# KiCad board Sebas_nuxros.kicad_pcb
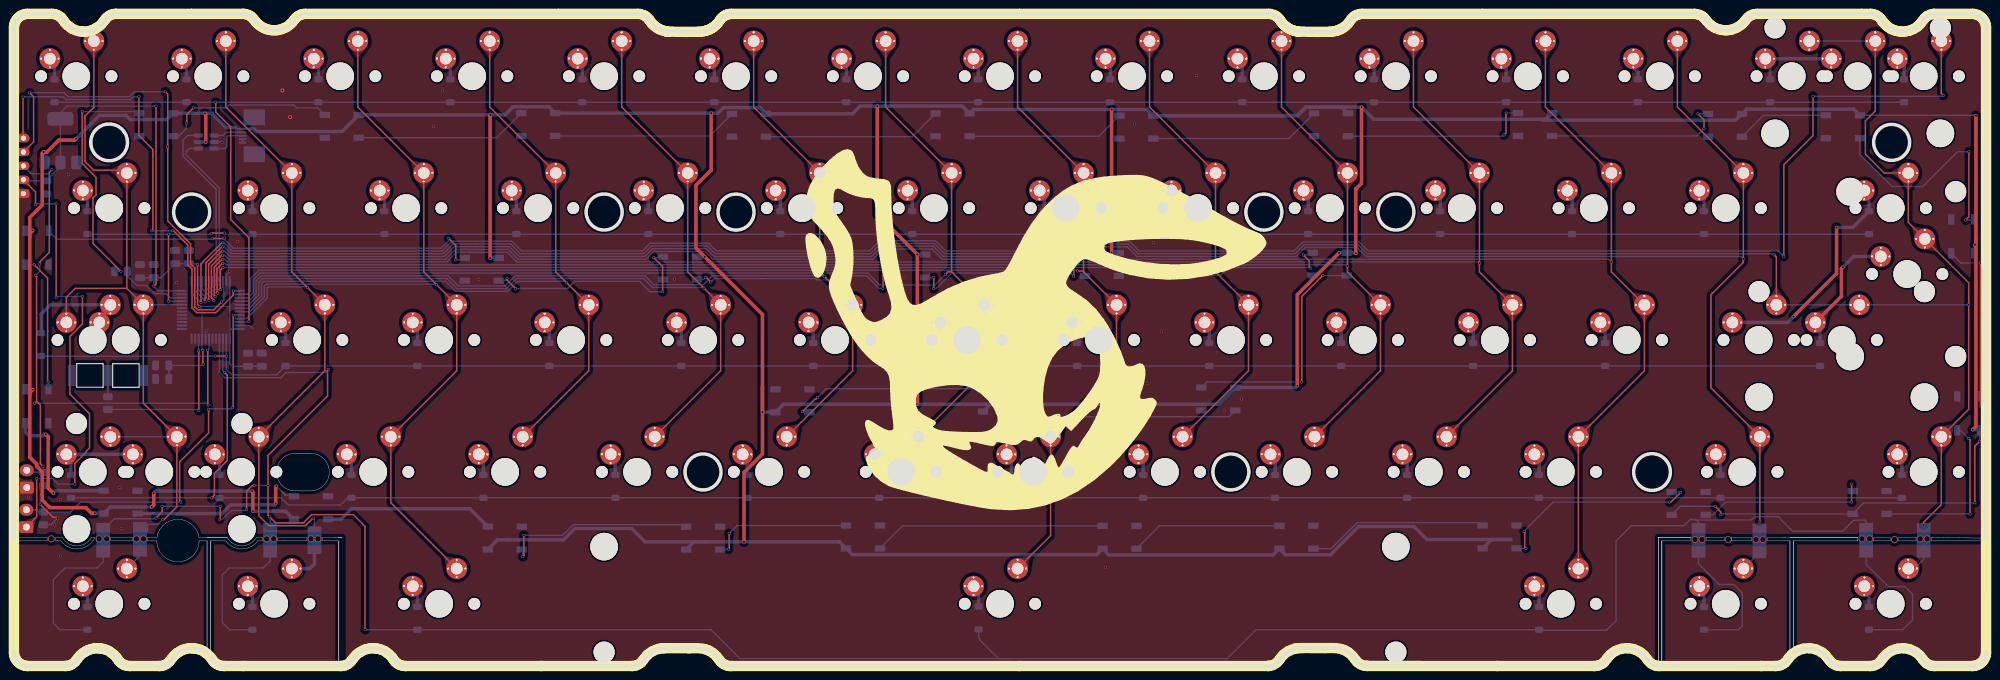
[diagram p0: board, top side]
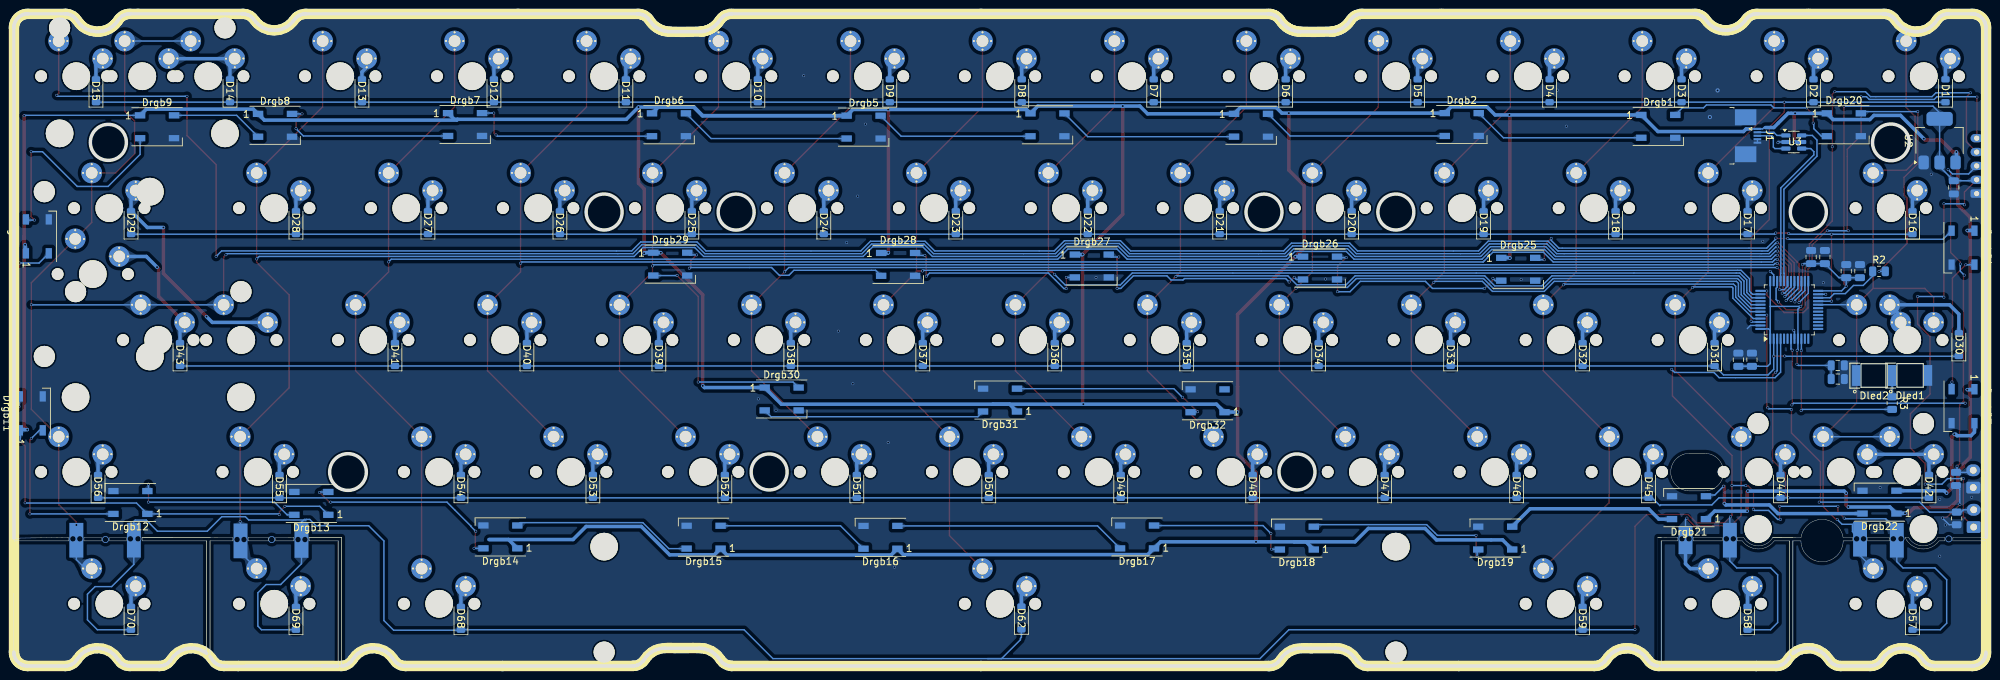
[diagram p1: board, bottom side, seen from below]

Outline 284.72 x 94.22 mm; copper layers: Top, Bottom. Coordinates in mm from the lower left corner of the outline.
Outline path: circle c13.76,75.66 r2.65 ; circle c25.67,65.59 r2.6 ; circle c85.22,65.59 r2.6 ; circle c99.49,28.05 r2.6 ; circle c104.25,65.59 r2.6 ; circle c175.69,28.05 r2.6 ; circle c180.45,65.59 r2.6 ; circle c199.51,65.6 r2.6 ; circle c236.49,28.04 r2.65 ; circle c271.08,75.66 r2.6 ; 0,18.59 0.02,92.22 0.04,92.5 0.1,92.78 0.2,93.05 0.34,93.3 0.51,93.53 0.71,93.73 0.94,93.9 1.19,94.04 1.46,94.14 1.74,94.2 2.02,94.22 5.44,94.22 5.73,94.2 6.01,94.14 6.28,94.04 6.53,93.9 6.76,93.72 6.96,93.52 7.13,93.28 7.35,92.98 7.59,92.7 7.87,92.45 8.17,92.23 8.49,92.04 8.83,91.89 9.18,91.77 9.54,91.69 9.91,91.65 10.28,91.65 10.65,91.69 11.02,91.77 11.37,91.89 11.71,92.04 12.03,92.23 12.33,92.45 12.6,92.7 12.85,92.98 13.06,93.28 13.23,93.52 13.43,93.72 13.66,93.9 13.92,94.04 14.19,94.14 14.47,94.2 14.75,94.22 33.07,94.22 33.34,94.2 33.61,94.14 33.87,94.05 34.12,93.92 34.34,93.76 34.54,93.57 34.72,93.35 34.94,93.06 35.21,92.79 35.49,92.54 35.81,92.33 36.14,92.16 36.49,92.02 36.85,91.92 37.22,91.86 37.6,91.84 37.97,91.86 38.34,91.92 38.71,92.02 39.06,92.16 39.39,92.33 39.7,92.54 39.99,92.79 40.25,93.06 40.48,93.35 40.65,93.57 40.85,93.76 41.08,93.92 41.32,94.05 41.58,94.14 41.85,94.2 42.13,94.22 90.09,94.22 90.38,94.2 90.66,94.14 90.93,94.04 91.18,93.9 91.41,93.72 91.61,93.52 91.78,93.28 92.01,92.96 92.27,92.67 92.57,92.41 92.89,92.18 93.23,91.99 93.59,91.84 93.97,91.73 94.36,91.67 94.75,91.64 98.95,91.64 99.34,91.67 99.73,91.73 100.1,91.84 100.47,91.99 100.81,92.18 101.13,92.41 101.42,92.67 101.69,92.96 101.91,93.28 102.08,93.52 102.29,93.72 102.52,93.9 102.77,94.04 103.04,94.14 103.32,94.2 103.61,94.22 181.14,94.22 181.43,94.2 181.71,94.14 181.98,94.04 182.23,93.9 182.46,93.72 182.66,93.52 182.83,93.28 183.06,92.96 183.32,92.67 183.61,92.41 183.93,92.18 184.28,91.99 184.64,91.84 185.02,91.73 185.4,91.67 185.8,91.64 190,91.64 190.39,91.67 190.78,91.73 191.15,91.84 191.52,91.99 191.86,92.18 192.18,92.41 192.47,92.67 192.73,92.96 192.96,93.28 193.13,93.52 193.33,93.72 193.56,93.9 193.82,94.04 194.09,94.14 194.37,94.2 194.65,94.22 242.62,94.22 242.89,94.2 243.16,94.14 243.42,94.05 243.67,93.92 243.89,93.76 244.09,93.57 244.27,93.35 244.5,93.06 244.76,92.79 245.04,92.54 245.36,92.33 245.69,92.16 246.04,92.02 246.4,91.92 246.77,91.86 247.15,91.84 247.52,91.86 247.89,91.92 248.26,92.02 248.61,92.16 248.94,92.33 249.25,92.54 249.54,92.79 249.8,93.06 250.03,93.35 250.2,93.57 250.4,93.76 250.63,93.92 250.87,94.05 251.13,94.14 251.4,94.2 251.68,94.22 267.99,94.22 268.28,94.2 268.56,94.14 268.83,94.04 269.08,93.9 269.31,93.72 269.51,93.52 269.68,93.28 269.9,92.98 270.14,92.7 270.42,92.45 270.72,92.23 271.04,92.04 271.38,91.89 271.73,91.77 272.09,91.69 272.46,91.65 272.83,91.65 273.2,91.69 273.57,91.77 273.92,91.89 274.26,92.04 274.58,92.23 274.88,92.45 275.15,92.7 275.4,92.98 275.61,93.28 275.78,93.52 275.98,93.72 276.21,93.9 276.47,94.04 276.74,94.14 277.02,94.2 277.3,94.22 282.72,94.22 283.01,94.2 283.29,94.14 283.55,94.04 283.8,93.9 284.03,93.73 284.23,93.53 284.41,93.3 284.54,93.05 284.64,92.78 284.7,92.5 284.72,92.22 284.7,18.49 276.8,18.59 276.8,18.09 284.7,18.09 284.72,2.02 284.7,1.74 284.64,1.46 284.54,1.19 284.41,0.94 284.23,0.71 284.03,0.51 283.8,0.34 283.55,0.2 283.29,0.1 283.01,0.04 282.72,0.02 277.3,0.02 277.01,0.04 276.73,0.1 276.46,0.2 276.21,0.34 275.98,0.52 275.78,0.72 275.61,0.96 275.39,1.26 275.15,1.54 274.88,1.79 274.58,2.01 274.26,2.2 273.92,2.35 273.56,2.47 273.2,2.55 272.83,2.59 272.46,2.59 272.09,2.55 271.73,2.47 271.37,2.35 271.04,2.2 270.71,2.01 270.42,1.79 270.14,1.54 269.9,1.26 269.68,0.96 269.51,0.72 269.31,0.52 269.08,0.34 268.83,0.2 268.56,0.1 268.28,0.04 267.99,0.02 263.71,0.02 263.42,0.04 263.14,0.1 262.87,0.2 262.62,0.34 262.39,0.52 262.19,0.72 262.02,0.96 261.8,1.26 261.56,1.54 261.28,1.79 260.98,2.01 260.66,2.2 260.33,2.35 259.97,2.47 259.61,2.55 259.24,2.59 258.87,2.59 258.5,2.55 258.13,2.47 257.78,2.35 257.44,2.2 257.12,2.01 256.9,1.85 256.9,18.09 266.2,18.09 266.2,18.59 256.4,18.6 253.1,18.59 253.1,18.09 256.4,18.09 256.4,1.37 256.3,1.26 256.09,0.96 255.92,0.72 255.72,0.52 255.49,0.34 255.24,0.2 254.97,0.1 254.68,0.04 254,0 240.18,0.04 239.68,0.04 237.9,0.02 237.9,18.09 242.1,18.09 242.1,18.6 237.4,18.6 237.4,0.03 237.23,0.04 236.95,0.1 236.68,0.2 236.43,0.34 236.2,0.52 235.99,0.72 235.82,0.96 235.61,1.26 235.36,1.54 235.09,1.79 234.79,2.01 234.47,2.2 234.13,2.35 233.78,2.47 233.42,2.55 233.05,2.59 232.67,2.59 232.31,2.55 231.94,2.47 231.59,2.35 231.25,2.2 230.93,2.01 230.63,1.79 230.36,1.54 230.11,1.26 229.9,0.96 229.73,0.72 229.53,0.52 229.3,0.34 229.04,0.2 228.77,0.1 228.49,0.04 228.2,0.02 195.43,0.02 195.14,0.04 194.86,0.1 194.59,0.2 194.34,0.34 194.11,0.52 193.91,0.72 193.74,0.96 193.51,1.28 193.25,1.57 192.95,1.83 192.63,2.06 192.29,2.25 191.93,2.4 191.55,2.5 191.16,2.57 190.77,2.59 185.8,2.59 185.41,2.57 185.02,2.5 184.64,2.4 184.28,2.25 183.94,2.06 183.62,1.83 183.32,1.57 183.06,1.28 182.84,0.96 182.67,0.72 182.46,0.52 182.23,0.34 181.98,0.2 181.71,0.1 181.43,0.04 181.14,0.02 103.6,0.02 103.31,0.04 103.03,0.1 102.76,0.2 102.51,0.34 102.28,0.52 102.08,0.72 101.91,0.96 101.68,1.28 101.42,1.57 101.13,1.83 100.81,2.06 100.46,2.25 100.1,2.4 99.72,2.5 99.34,2.57 98.95,2.59 93.97,2.59 93.58,2.57 93.19,2.5 92.82,2.4 92.45,2.25 92.11,2.06 91.79,1.83 91.5,1.57 91.24,1.28 91.01,0.96 90.84,0.72 90.64,0.52 90.41,0.34 90.16,0.2 89.89,0.1 89.6,0.04 89.32,0.02 56.54,0.02 56.25,0.04 55.97,0.1 55.7,0.2 55.45,0.34 55.22,0.52 55.02,0.72 54.85,0.96 54.63,1.26 54.39,1.54 54.11,1.79 53.82,2.01 53.49,2.2 53.16,2.35 52.8,2.47 52.44,2.55 52.07,2.59 51.7,2.59 51.33,2.55 50.97,2.47 50.61,2.35 50.27,2.2 49.95,2.01 49.65,1.79 49.38,1.54 49.14,1.26 48.92,0.96 48.75,0.72 48.55,0.52 48.32,0.34 48.07,0.2 47.8,0.1 47.52,0.04 47.4,0.03 47.4,18.6 46.9,18.6 44.5,18.59 44.5,18.09 46.9,18.09 46.9,0.02 30.35,0.02 30.06,0.04 29.78,0.1 29.51,0.2 29.26,0.34 29.03,0.52 28.83,0.72 28.65,0.96 28.44,1.26 28.4,1.3 28.4,18.09 30.6,18.09 arc(32.9,16.93) 35.2,18.09 35.9,18.09 35.9,18.59 35,18.59 arc(32.9,17.37) 30.8,18.59 27.9,18.6 26.72,18.59 arc(23.69,21.19) 20.65,18.59 19.3,18.59 19.3,18.09 20.64,18.09 arc(23.69,15.07) 26.74,18.09 27.9,18.09 27.9,1.8 27.62,2.01 27.3,2.2 26.96,2.35 26.61,2.47 26.25,2.55 25.88,2.59 25.51,2.59 25.14,2.55 24.77,2.47 24.42,2.35 24.08,2.2 23.76,2.01 23.46,1.79 23.19,1.54 22.94,1.26 22.73,0.96 22.56,0.72 22.36,0.52 22.13,0.34 21.87,0.2 21.6,0.1 21.32,0.04 21.04,0.02 16.76,0.02 16.47,0.04 16.19,0.1 15.92,0.2 15.66,0.34 15.43,0.52 15.23,0.72 15.06,0.96 14.85,1.26 14.6,1.54 14.33,1.79 14.03,2.01 13.71,2.2 13.37,2.35 13.02,2.47 12.65,2.55 12.28,2.59 11.91,2.59 11.54,2.55 11.18,2.47 10.83,2.35 10.49,2.2 10.17,2.01 9.87,1.79 9.6,1.54 9.35,1.26 9.14,0.96 8.97,0.72 8.76,0.52 8.53,0.34 8.28,0.2 8.01,0.1 7.73,0.04 7.44,0.02 2.02,0.02 1.74,0.04 1.46,0.1 1.19,0.2 0.94,0.34 0.71,0.51 0.51,0.71 0.34,0.94 0.2,1.19 0.1,1.46 0.04,1.74 0.02,2.02 0,18.09 4.8,18.09 4.8,18.59 0,18.59 ; 6,18.59 6,18.09 6.8,18.09 arc(9.39,16.94) 11.7,18.59 11.2,18.59 arc(9.1,17.37) 7,18.59 6,18.59 ; 14,18.59 17.12,18.59 17.12,18.09 14,18.09 14,18.59 ; 38.1,18.59 38.1,18.09 42.3,18.09 42.3,18.59 38.1,18.59 ; 40.62,25.32 arc(37.91,28.03) 40.62,30.74 42.82,30.74 arc(45.54,28.03) 42.82,25.32 40.62,25.32 ; 244.3,18.6 244.3,18.09 246.9,18.09 246.9,18.59 244.3,18.6 ; 248,18.59 250.9,18.59 250.9,18.09 248,18.09 248,18.59 ; 268.5,18.59 270.9,18.59 270.9,18.09 268.5,18.09 268.5,18.59 ; 272.1,18.59 274.6,18.59 274.6,18.09 272.1,18.09 272.1,18.59
Stack: Top 0.035mm / dielectric 1.51mm FR4 er 4.5 / Bottom 0.035mm

## Placement (name value [footprint] x y rotation side)
C1  100nF  [C_0805_2012Metric]  33.81 44.26 270 bottom
C2  4.7uF  [C_0805_2012Metric]  21.42 41.47 0 bottom
C3  100nF  [C_0805_2012Metric]  18.22 57.06 270 bottom
C4  4.7uF  [C_0805_2012Metric]  23.28 59.09 270 bottom
C5  100nF  [C_0805_2012Metric]  4.67 69.16 90 bottom
C6  4.7uF  [C_0805_2012Metric]  35.77 44.26 270 bottom
C7  100nF  [C_0805_2012Metric]  21.42 43.44 0 bottom
C8  4.7uF  [C_0805_2012Metric]  20.2 57.06 270 bottom
C9  4.7uF  [C_0805_2012Metric]  25.27 59.09 270 bottom
C10  4.7uF  [C_0805_2012Metric]  4.35 27.04 270 bottom
D1  D_Small  [D_SOD-123]  5.87 83.11 90 bottom
D2  D_Small  [D_SOD-123]  24.92 83.11 90 bottom
D3  D_Small  [D_SOD-123]  43.97 83.11 90 bottom
D4  D_Small  [D_SOD-123]  63.02 83.11 90 bottom
D5  D_Small  [D_SOD-123]  82.07 83.11 90 bottom
D6  D_Small  [D_SOD-123]  101.12 83.11 90 bottom
D7  D_Small  [D_SOD-123]  120.17 83.11 90 bottom
D8  D_Small  [D_SOD-123]  139.22 83.11 90 bottom
D9  D_Small  [D_SOD-123]  158.27 83.11 90 bottom
D10  D_Small  [D_SOD-123]  177.32 83.11 90 bottom
D11  D_Small  [D_SOD-123]  196.37 83.11 90 bottom
D12  D_Small  [D_SOD-123]  215.42 83.11 90 bottom
D13  D_Small  [D_SOD-123]  234.47 83.11 90 bottom
D14  D_Small  [D_SOD-123]  253.52 83.11 90 bottom
D15  D_Small  [D_SOD-123]  272.87 83.11 90 bottom
D16  D_Small  [D_SOD-123]  10.63 64.06 90 bottom
D17  D_Small  [D_SOD-123]  34.45 64.06 90 bottom
D18  D_Small  [D_SOD-123]  53.49 64.06 90 bottom
D19  D_Small  [D_SOD-123]  72.55 64.06 90 bottom
D20  D_Small  [D_SOD-123]  91.59 64.06 90 bottom
D21  D_Small  [D_SOD-123]  110.65 64.06 90 bottom
D22  D_Small  [D_SOD-123]  129.69 64.06 90 bottom
D23  D_Small  [D_SOD-123]  148.75 64.06 90 bottom
D24  D_Small  [D_SOD-123]  167.8 64.06 90 bottom
D25  D_Small  [D_SOD-123]  186.84 64.06 90 bottom
D26  D_Small  [D_SOD-123]  205.9 64.06 90 bottom
D27  D_Small  [D_SOD-123]  224.94 64.06 90 bottom
D28  D_Small  [D_SOD-123]  244 64.06 90 bottom
D29  D_Small  [D_SOD-123]  267.81 64.06 90 bottom
D30  D_Small  [D_SOD-123]  3.94 46.45 90 bottom
D31  D_Small  [D_SOD-123]  39.21 45.01 90 bottom
D32  D_Small  [D_SOD-123]  58.26 45.01 90 bottom
D33  D_Small  [D_SOD-123]  77.31 45.01 90 bottom
D34  D_Small  [D_SOD-123]  96.36 45.01 90 bottom
D35  D_Small  [D_SOD-123]  115.41 45.01 90 bottom
D36  D_Small  [D_SOD-123]  134.46 45.01 90 bottom
D37  D_Small  [D_SOD-123]  153.51 45.01 90 bottom
D38  D_Small  [D_SOD-123]  172.56 45.01 90 bottom
D39  D_Small  [D_SOD-123]  191.61 45.01 90 bottom
D40  D_Small  [D_SOD-123]  210.66 45.01 90 bottom
D41  D_Small  [D_SOD-123]  229.71 45.01 90 bottom
D42  D_Small  [D_SOD-123]  8.25 25.96 90 bottom
D43  D_Small  [D_SOD-123]  260.74 45.01 90 bottom
D44  D_Small  [D_SOD-123]  29.68 25.96 90 bottom
D45  D_Small  [D_SOD-123]  48.73 25.96 90 bottom
D46  D_Small  [D_SOD-123]  67.78 25.96 90 bottom
D47  D_Small  [D_SOD-123]  86.83 25.96 90 bottom
D48  D_Small  [D_SOD-123]  105.88 25.96 90 bottom
D49  D_Small  [D_SOD-123]  124.93 25.96 90 bottom
D50  D_Small  [D_SOD-123]  143.98 25.96 90 bottom
D51  D_Small  [D_SOD-123]  163.03 25.96 90 bottom
D52  D_Small  [D_SOD-123]  182.08 25.96 90 bottom
D53  D_Small  [D_SOD-123]  201.13 25.96 90 bottom
D54  D_Small  [D_SOD-123]  220.18 25.96 90 bottom
D55  D_Small  [D_SOD-123]  246.38 25.96 90 bottom
D56  D_Small  [D_SOD-123]  272.57 25.96 90 bottom
D57  D_Small  [D_SOD-123]  10.63 6.91 90 bottom
D58  D_Small  [D_SOD-123]  34.45 6.91 90 bottom
D59  D_Small  [D_SOD-123]  58.26 6.91 90 bottom
D62  D_Small  [D_SOD-123]  139.27 6.96 90 bottom
D68  D_Small  [D_SOD-123]  220.18 6.91 90 bottom
D69  D_Small  [D_SOD-123]  244 6.91 90 bottom
D70  D_Small  [D_SOD-123]  267.81 6.91 90 bottom
Dled1  LED  [LED-6028]  10.98 47.07 180 bottom
Dled2  LED  [LED-6028#2]  16.17 47.06 180 bottom
Drgb1  WS2812B  [LED_WS2812B_PLCC4_5.0x5.0mm_P3.2mm]  47.33 77.97 180 bottom
Drgb2  WS2812B  [LED_WS2812B_PLCC4_5.0x5.0mm_P3.2mm]  75.7 78.23 180 bottom
Drgb3  WS2812B  [LED_WS2812B_PLCC4_5.0x5.0mm_P3.2mm]  106.12 78.13 180 bottom
Drgb4  WS2812B  [LED_WS2812B_PLCC4_5.0x5.0mm_P3.2mm]  135.51 78.19 180 bottom
Drgb5  WS2812B  [LED_WS2812B_PLCC4_5.0x5.0mm_P3.2mm]  162.05 77.86 180 bottom
Drgb6  WS2812B  [LED_WS2812B_PLCC4_5.0x5.0mm_P3.2mm]  190.15 78.2 180 bottom
Drgb7  WS2812B  [LED_WS2812B_PLCC4_5.0x5.0mm_P3.2mm]  219.59 78.23 180 bottom
Drgb8  WS2812B  [LED_WS2812B_PLCC4_5.0x5.0mm_P3.2mm]  247.02 78.12 180 bottom
Drgb9  WS2812B  [LED_WS2812B_PLCC4_5.0x5.0mm_P3.2mm]  264.05 77.91 180 bottom
Drgb10  WS2812B  [LED_WS2812B_PLCC4_5.0x5.0mm_P3.2mm]  281.33 62.08 90 bottom
Drgb11  WS2812B  [LED_WS2812B_PLCC4_5.0x5.0mm_P3.2mm]  282.2 36.51 90 bottom
Drgb12  WS2812B  [LED_WS2812B_PLCC4_5.0x5.0mm_P3.2mm]  267.9 23.64 0 bottom
Drgb13  WS2812B  [LED_WS2812B_PLCC4_5.0x5.0mm_P3.2mm]  241.78 23.51 0 bottom
Drgb14  WS2812B  [LED_WS2812B_PLCC4_5.0x5.0mm_P3.2mm]  214.49 18.67 0 bottom
Drgb15  WS2812B  [LED_WS2812B_PLCC4_5.0x5.0mm_P3.2mm]  185.15 18.63 0 bottom
Drgb16  WS2812B  [LED_WS2812B_PLCC4_5.0x5.0mm_P3.2mm]  159.62 18.61 0 bottom
Drgb17  WS2812B  [LED_WS2812B_PLCC4_5.0x5.0mm_P3.2mm]  122.58 18.66 0 bottom
Drgb18  WS2812B  [LED_WS2812B_PLCC4_5.0x5.0mm_P3.2mm]  99.51 18.49 0 bottom
Drgb19  WS2812B  [LED_WS2812B_PLCC4_5.0x5.0mm_P3.2mm]  70.87 18.5 0 bottom
Drgb20  WS2812B  [LED_WS2812B_PLCC4_5.0x5.0mm_P3.2mm]  20.54 78.2 180 bottom
Drgb21  WS2812B  [LED_WS2812B_PLCC4_5.0x5.0mm_P3.2mm]  42.9 22.89 0 bottom
Drgb22  WS2812B  [LED_WS2812B_PLCC4_5.0x5.0mm_P3.2mm]  15.4 23.69 0 bottom
Drgb23  WS2812B  [LED_WS2812B_PLCC4_5.0x5.0mm_P3.2mm]  3.34 37.55 270 bottom
Drgb24  WS2812B  [LED_WS2812B_PLCC4_5.0x5.0mm_P3.2mm]  3.34 60.45 270 bottom
Drgb25  WS2812B  [LED_WS2812B_PLCC4_5.0x5.0mm_P3.2mm]  67.55 57.33 180 bottom
Drgb26  WS2812B  [LED_WS2812B_PLCC4_5.0x5.0mm_P3.2mm]  96.16 57.5 180 bottom
Drgb27  WS2812B  [LED_WS2812B_PLCC4_5.0x5.0mm_P3.2mm]  129.11 57.8 180 bottom
Drgb28  WS2812B  [LED_WS2812B_PLCC4_5.0x5.0mm_P3.2mm]  157.07 58.03 180 bottom
Drgb29  WS2812B  [LED_WS2812B_PLCC4_5.0x5.0mm_P3.2mm]  189.96 58.07 180 bottom
Drgb30  WS2812B  [LED_WS2812B_PLCC4_5.0x5.0mm_P3.2mm]  173.88 38.59 180 bottom
Drgb31  WS2812B  [LED_WS2812B_PLCC4_5.0x5.0mm_P3.2mm]  142.36 38.43 0 bottom
Drgb32  WS2812B  [LED_WS2812B_PLCC4_5.0x5.0mm_P3.2mm]  112.4 38.33 0 bottom
G***  LOGO  [sebas]  145.85 48.06 0 top
G***#2  LOGO  [kezewa]  165.18 7.83 180 bottom
G***#3  LOGO  [nuxros_logo2]  120.79 9.01 180 bottom
J1  Conn_01x04_Pin  [TE_0-1734839-5_1x05-1MP_P0.5mm_Horizontal]  34.37 76.61 270 bottom
J2  Conn_01x05_Socket  [JST_PH_B5B-PH-K_1x05_P2.00mm_Vertical]  1.37 68.26 90 top
NOREF  -  [unnamed]  12.9 17.19 0 top
NOREF#2  -  [unnamed#2]  37 18.19 0 top
NOREF#3  -  [unnamed#2]  18.2 18.34 0 top
NOREF#4  -  [unnamed#3]  -2.5 7.09 0 top
NOREF#5  -  [unnamed#4]  252 7.09 0 top
NOREF#6  -  [unnamed#5]  234.35 -3.25 90 top
NOREF#7  -  [unnamed#6]  275.7 17.19 0 top
NOREF#8  -  [unnamed]  267.4 17.19 0 top
R1  R_Small  [R_0805_2012Metric]  4.25 21.34 270 bottom
R2  R_Small  [R_0805_2012Metric]  15.47 57.03 180 bottom
R3  R_Small  [R_0805_2012Metric]  13.57 38 270 bottom
SW1  SW_Push  [MXOnly-1U_N]  9.01 85.21 0 top
SW2  SW_Push  [MXOnly-1U_N]  28.06 85.21 0 top
SW3  SW_Push  [MXOnly-1U_N]  47.11 85.21 0 top
SW4  SW_Push  [MXOnly-1U_N]  66.16 85.21 0 top
SW5  SW_Push  [MXOnly-1U_N]  85.21 85.21 0 top
SW6  SW_Push  [MXOnly-1U_N]  104.26 85.21 0 top
SW7  SW_Push  [MXOnly-1U_N]  123.31 85.21 0 top
SW8  SW_Push  [MXOnly-1U_N]  142.36 85.21 0 top
SW9  SW_Push  [MXOnly-1U_N]  161.41 85.21 0 top
SW10  SW_Push  [MXOnly-1U_N]  180.46 85.21 0 top
SW11  SW_Push  [MXOnly-1U_N]  199.51 85.21 0 top
SW12  SW_Push  [MXOnly-1U_N]  218.56 85.21 0 top
SW13  SW_Push  [MXOnly-1U_N]  237.61 85.21 0 top
SW14  SW_Push  [MXOnly-1U_N]  256.66 85.21 0 top
SW15  SW_Push  [MXOnly-1U_N]  275.71 85.21 0 top
SW16  SW_Push  [MXOnly-1.5U_N]  13.77 66.16 0 top
SW17  SW_Push  [MXOnly-1U_N]  37.58 66.16 0 top
SW18  SW_Push  [MXOnly-1U_N]  56.63 66.16 0 top
SW19  SW_Push  [MXOnly-1U_N]  75.68 66.16 0 top
SW20  SW_Push  [MXOnly-1U_N]  94.73 66.16 0 top
SW21  SW_Push  [MXOnly-1U_N]  113.78 66.16 0 top
SW22  SW_Push  [MXOnly-1U_N]  132.83 66.16 0 top
SW23  SW_Push  [MXOnly-1U_N]  151.88 66.16 0 top
SW24  SW_Push  [MXOnly-1U_N]  170.93 66.16 0 top
SW25  SW_Push  [MXOnly-1U_N]  189.98 66.16 0 top
SW26  SW_Push  [MXOnly-1U_N]  209.03 66.16 0 top
SW27  SW_Push  [MXOnly-1U_N]  228.08 66.16 0 top
SW28  SW_Push  [MXOnly-1U_N]  247.13 66.16 0 top
SW29  SW_Push  [MXOnly-1.5U_N]  270.95 66.16 0 top
SW30  SW_Push  [MXOnly-1.75U_N]  16.15 47.11 0 top
SW31  SW_Push  [MXOnly-1U_N]  42.34 47.11 0 top
SW32  SW_Push  [MXOnly-1U_N]  61.39 47.11 0 top
SW33  SW_Push  [MXOnly-1U_N]  80.45 47.11 0 top
SW34  SW_Push  [MXOnly-1U_N]  99.5 47.11 0 top
SW35  SW_Push  [MXOnly-1U_N]  118.55 47.11 0 top
SW36  SW_Push  [MXOnly-1U_N]  137.59 47.11 0 top
SW37  SW_Push  [MXOnly-1U_N]  156.65 47.11 0 top
SW38  SW_Push  [MXOnly-1U_N]  175.69 47.11 0 top
SW39  SW_Push  [MXOnly-1U_N]  194.75 47.11 0 top
SW40  SW_Push  [MXOnly-1U_N]  213.8 47.11 0 top
SW41  SW_Push  [MXOnly-1U_N]  232.84 47.11 0 top
SW42  SW_Push  [MXOnly-1.25U_N]  11.39 28.06 0 top
SW43  SW_Push  [MXOnly-2.25U_N]  263.88 47.11 0 top
SW44  SW_Push  [MXOnly-1U_N]  32.82 28.06 0 top
SW45  SW_Push  [MXOnly-1U_N]  51.87 28.06 0 top
SW46  SW_Push  [MXOnly-1U_N]  70.92 28.06 0 top
SW47  SW_Push  [MXOnly-1U_N]  89.97 28.06 0 top
SW48  SW_Push  [MXOnly-1U_N]  109.02 28.06 0 top
SW49  SW_Push  [MXOnly-1U_N]  128.07 28.06 0 top
SW50  SW_Push  [MXOnly-1U_N]  147.12 28.06 0 top
SW51  SW_Push  [MXOnly-1U_N]  166.17 28.06 0 top
SW52  SW_Push  [MXOnly-1U_N]  185.22 28.06 0 top
SW53  SW_Push  [MXOnly-1U_N]  204.27 28.06 0 top
SW54  SW_Push  [MXOnly-1U_N]  223.32 28.06 0 top
SW55  SW_Push  [MXOnly-1.75U_N]  249.51 28.06 0 top
SW56  SW_Push  [MXOnly-1U_N]  275.71 28.06 0 top
SW57  SW_Push  [MXOnly-1.5U_N]  13.77 9.01 0 top
SW58  SW_Push  [MXOnly-1U_N]  37.58 9.01 0 top
SW59  SW_Push  [MXOnly-1.5U_N]  61.4 9.01 0 top
SW62  SW_Push  [MXOnly-7U-ReversedStabilizers_N]  142.36 9.01 0 top
SW68  SW_Push  [MXOnly-1.5U_N]  223.32 9.01 0 top
SW69  SW_Push  [MXOnly-1U_N]  247.13 9.01 0 top
SW70  SW_Push  [MXOnly-1.5U_N]  270.95 9.01 0 top
SW1000  SW_Push  [MXOnly-2.25U_N]  20.99 28.06 0 top
SW1001  SW_Push  [MXOnly-1.25U_N]  11.39 47.11 0 top
SW1002  SW_Push  [MXOnly-2U_N]  266.18 85.21 0 top
SW1003  SW_Push  [MXOnly-enter ISO]  273.33 56.64 0 top
SW1004  SW_Push  [MXOnly-1U_N]  251.9 47.11 0 top
SWbôt1  SW_Push  [JST_EH_B2B-EH-A_1x02_P2.50mm_Vertical]  1.8 20.09 90 top
SWbôtrst1  SW_Push  [JST_EH_B2B-EH-A_1x02_P2.50mm_Vertical]  1.86 25.79 90 top
U2  AMS1117  [SOT-223-3_TabPin2]  6.72 75.9 90 bottom
U3  USBLC6-2SC6  [SOT-23-6]  27.77 75.71 180 bottom
Ud1  STM32F072-LQFP48  [LQFP-48_7x7mm_P0.5mm]  28.42 51.46 90 bottom

## Library data of the parts
C1-C10 = -: Description: Unpolarized capacitor, small symbol; ki_fp_filters: C_*
D1-D59 D62 D68-D70 = -: Description: Diode, small symbol; Sim.Device: D; Sim.Pins: 1=K 2=A; ki_fp_filters: TO-???* *_Diode_* *SingleDiode* D_*
Dled1 Dled2 = -: Description: Light emitting diode; ki_fp_filters: LED* LED_SMD:* LED_THT:*
Drgb1-Drgb32 = -: Datasheet: https://cdn-shop.adafruit.com/datasheets/WS2812B.pdf; Description: RGB LED with integrated controller; ki_fp_filters: LED*WS2812*PLCC*5.0x5.0mm*P3.2mm*
J1 = -: Description: Generic connector, single row, 01x04, script generated; ki_fp_filters: Connector*:*_1x??_*
J2 = -: Description: Generic connector, single row, 01x05, script generated; ki_fp_filters: Connector*:*_1x??_*
R1-R3 = -: Description: Resistor, small symbol; ki_fp_filters: R_*
SW1-SW59 SW62 SW68-SW70 SW1000-SW1004 SWbôt1 SWbôtrst1 = -: Description: Push button switch, generic, two pins
U2 = -: Datasheet: http://www.advanced-monolithic.com/pdf/ds1117.pdf; Description: 1A Low Dropout regulator, positive, adjustable output, SOT-223; ki_fp_filters: SOT?223*TabPin2*
U3 = -: Datasheet: https://www.st.com/resource/en/datasheet/usblc6-2.pdf; Description: Very low capacitance ESD protection diode, 2 data-line, SOT-23-6; ki_fp_filters: SOT?23*

## Footprints (pads in the part's own frame, mm; a bottom-side part is the same pattern mirrored in y, then rotated)
C_0805_2012Metric
  rrect 1x1.45 smd: 1(-0.95,0) 2(0.95,0)
D_SOD-123
  rrect 0.9x1.2 smd: 1(-1.65,0) 2(1.65,0)
JST_EH_B2B-EH-A_1x02_P2.50mm_Vertical
  rrect 1.7x2 hole 1: 1(0,0)
  oval 1.7x2 hole 1: 2(2.5,0)
JST_PH_B5B-PH-K_1x05_P2.00mm_Vertical
  rrect 1.2x1.75 hole 0.75: 1(0,0)
  oval 1.2x1.75 hole 0.75: 2(2,0) 3(4,0) 4(6,0) 5(8,0)
LED-6028
  rect 1.19x3 smd: 1(2.595,-5.08) 2(-2.595,-5.08)
LED-6028#2
  rect 1.19x3 smd: 1(-2.595,-5.08) 2(2.595,-5.08)
LED_WS2812B_PLCC4_5.0x5.0mm_P3.2mm
  rect 1.5x0.9 smd: 1(-2.45,1.65) 2(-2.45,-1.65) 3(2.45,-1.65) 4(2.45,1.65)
LQFP-48_7x7mm_P0.5mm
  rrect 1.475x0.3 smd: 1(-4.162,2.75) 2(-4.162,2.25) 3(-4.162,1.75) 4(-4.162,1.25) 5(-4.162,0.75) 6(-4.162,0.25) 7(-4.162,-0.25) 8(-4.162,-0.75) 9(-4.162,-1.25) 10(-4.162,-1.75) 11(-4.162,-2.25) 12(-4.162,-2.75) 25(4.162,-2.75) 26(4.162,-2.25) 27(4.162,-1.75) 28(4.162,-1.25) 29(4.162,-0.75) 30(4.162,-0.25) 31(4.162,0.25) 32(4.162,0.75) 33(4.162,1.25) 34(4.162,1.75) 35(4.162,2.25) 36(4.162,2.75)
  rrect 0.3x1.475 smd: 13(-2.75,-4.162) 14(-2.25,-4.162) 15(-1.75,-4.162) 16(-1.25,-4.162) 17(-0.75,-4.162) 18(-0.25,-4.162) 19(0.25,-4.162) 20(0.75,-4.162) 21(1.25,-4.162) 22(1.75,-4.162) 23(2.25,-4.162) 24(2.75,-4.162) 37(2.75,4.162) 38(2.25,4.162) 39(1.75,4.162) 40(1.25,4.162) 41(0.75,4.162) 42(0.25,4.162) 43(-0.25,4.162) 44(-0.75,4.162) 45(-1.25,4.162) 46(-1.75,4.162) 47(-2.25,4.162) 48(-2.75,4.162)
MXOnly-1.5U_N
  round 1.7 hole 1.7 unplated: (-5.08,0) (5.08,0)
  round 4 hole 4 unplated: (0,0)
  round 0.4 hole 0.3: 1(-5.06,2.55) 1(-3.82,1.29) 1(-3.81,3.79) 1(-2.56,2.54) 2(1.29,5.08) 2(2.54,6.34) 2(2.54,3.84) 2(3.78,5.09)
  round 3 hole 1.7: 1(-3.81,2.54) 2(2.54,5.08)
MXOnly-1.25U_N
  round 1.7 hole 1.7 unplated: (-5.08,0) (5.08,0)
  round 4 hole 4 unplated: (0,0)
  round 0.4 hole 0.3: 1(-5.06,2.55) 1(-3.82,1.29) 1(-3.81,3.79) 1(-2.56,2.54) 2(1.29,5.08) 2(2.54,6.34) 2(2.54,3.84) 2(3.78,5.09)
  round 3 hole 1.7: 1(-3.81,2.54) 2(2.54,5.08)
MXOnly-1.75U_N
  round 1.7 hole 1.7 unplated: (-5.08,0) (5.08,0)
  round 4 hole 4 unplated: (0,0)
  round 0.4 hole 0.3: 1(-5.06,2.55) 1(-3.82,1.29) 1(-3.81,3.79) 1(-2.56,2.54) 2(1.29,5.08) 2(2.54,6.34) 2(2.54,3.84) 2(3.78,5.09)
  round 3 hole 1.7: 1(-3.81,2.54) 2(2.54,5.08)
MXOnly-1U_N
  round 1.7 hole 1.7 unplated: (-5.08,0) (5.08,0)
  round 4 hole 4 unplated: (0,0)
  round 0.4 hole 0.3: 1(-5.06,2.55) 1(-3.82,1.29) 1(-3.81,3.79) 1(-2.56,2.54) 2(1.29,5.08) 2(2.54,6.34) 2(2.54,3.84) 2(3.78,5.09)
  round 3 hole 1.7: 1(-3.81,2.54) 2(2.54,5.08)
MXOnly-2.25U_N
  round 3.048 hole 3.048 unplated: (-11.938,6.985) (11.938,6.985)
  round 3.988 hole 3.988 unplated: (-11.938,-8.255) (11.938,-8.255)
  round 1.7 hole 1.7 unplated: (-5.08,0) (5.08,0)
  round 4 hole 4 unplated: (0,0)
  round 0.4 hole 0.3: 1(-5.06,2.55) 1(-3.82,1.29) 1(-3.81,3.79) 1(-2.56,2.54) 2(1.29,5.08) 2(2.54,6.34) 2(2.54,3.84) 2(3.78,5.09)
  round 3 hole 1.7: 1(-3.81,2.54) 2(2.54,5.08)
MXOnly-2U_N
  round 3.048 hole 3.048 unplated: (-11.938,6.985) (11.938,6.985)
  round 3.988 hole 3.988 unplated: (-11.938,-8.255) (11.938,-8.255)
  round 1.7 hole 1.7 unplated: (-5.08,0) (5.08,0)
  round 4 hole 4 unplated: (0,0)
  round 0.4 hole 0.3: 1(-5.06,2.55) 1(-3.82,1.29) 1(-3.81,3.79) 1(-2.56,2.54) 2(1.29,5.08) 2(2.54,6.34) 2(2.54,3.84) 2(3.78,5.09)
  round 3 hole 1.7: 1(-3.81,2.54) 2(2.54,5.08)
MXOnly-7U-ReversedStabilizers_N
  round 3.988 hole 3.988 unplated: (-57.15,8.255) (57.15,8.255)
  round 3.048 hole 3.048 unplated: (-57.15,-6.985) (57.15,-6.985)
  round 1.7 hole 1.7 unplated: (-5.08,0) (5.08,0)
  round 4 hole 4 unplated: (0,0)
  round 0.4 hole 0.3: 1(-5.06,2.55) 1(-3.82,1.29) 1(-3.81,3.79) 1(-2.56,2.54) 2(1.29,5.08) 2(2.54,6.34) 2(2.54,3.84) 2(3.78,5.09)
  round 3 hole 1.7: 1(-3.81,2.54) 2(2.54,5.08)
MXOnly-enter ISO
  round 4 hole 4 unplated: (-8.24,11.9) (-8.24,-11.9) (0,0)
  round 1.7 hole 1.7 unplated: (-5.08,0) (5.08,0)
  round 3.05 hole 3.05 unplated: (7,11.9) (7,-11.9)
  round 0.4 hole 0.3: 1(-5.06,2.55) 1(-3.82,1.29) 1(-3.81,3.79) 1(-2.56,2.54) 2(1.29,5.08) 2(2.54,6.34) 2(2.54,3.84) 2(3.78,5.09)
  round 3 hole 1.7: 1(-3.81,2.54) 2(2.54,5.08)
R_0805_2012Metric
  rrect 1.025x1.4 smd: 1(-0.912,0) 2(0.912,0)
SOT-23-6
  rrect 1.325x0.6 smd: 1(-1.137,0.95) 2(-1.137,0) 3(-1.137,-0.95) 4(1.137,-0.95) 5(1.137,0) 6(1.137,0.95)
SOT-223-3_TabPin2
  rrect 2x1.5 smd: 1(-3.15,2.3) 2(-3.15,0) 3(-3.15,-2.3)
  rrect 2x3.8 smd: 2(3.15,0)
TE_0-1734839-5_1x05-1MP_P0.5mm_Horizontal
  rect 0.3x1.1 smd: 1(-1,1.35) 2(-0.5,1.35) 3(0,1.35) 4(0.5,1.35) 4(1,1.35)
  rect 2.3x3.1 smd: 4(-2.67,-0.35) 4(2.67,-0.35)
unnamed
  rect 2x5 smd far side: 1(0,1)
unnamed#2
  rect 2x5 smd far side: 1(0,0)
unnamed#3
  rect 2x4 smd far side: 1(45.9,11.1)
unnamed#4
  rect 2x5 smd far side: 1(23.7,11.1)
unnamed#5
  rect 5x2 smd far side: (21.4,-8.85)
unnamed#6
  rect 2x5 smd far side: 1(-23.7,0.9)

## Nets
+3.3V: C1.2 C2.2 C3.2 C4.2 C5.2 C6.2 C7.2 C8.2 C9.2 J2.2 SWbôt1.1 U2.2 Ud1.1 Ud1.9 Ud1.24 Ud1.36 Ud1.48
+5V: Drgb1.1 Drgb2.1 Drgb3.1 Drgb4.1 Drgb5.1 Drgb6.1 Drgb7.1 Drgb8.1 Drgb9.1 Drgb10.1 Drgb11.1 Drgb12.1 Drgb13.1 Drgb14.1 Drgb15.1 Drgb16.1 Drgb17.1 Drgb18.1 Drgb19.1 Drgb20.1 Drgb21.1 Drgb22.1 Drgb23.1 Drgb24.1 Drgb25.1 Drgb26.1 Drgb27.1 Drgb28.1 Drgb29.1 Drgb30.1 Drgb31.1 Drgb32.1 J1.1 U2.3 U3.5
GND: C1.1 C2.1 C3.1 C4.1 C5.1 C6.1 C7.1 C8.1 C9.1 C10.2 Dled1.1 Dled2.1 Drgb1.3 Drgb2.3 Drgb3.3 Drgb4.3 Drgb5.3 Drgb6.3 Drgb7.3 Drgb8.3 Drgb9.3 Drgb10.3 Drgb11.3 Drgb12.3 Drgb13.3 Drgb14.3 Drgb15.3 Drgb16.3 Drgb17.3 Drgb18.3 Drgb19.3 Drgb20.3 Drgb21.3 Drgb22.3 Drgb23.3 Drgb24.3 Drgb25.3 Drgb26.3 Drgb27.3 Drgb28.3 Drgb29.3 Drgb30.3 Drgb31.3 Drgb32.3 J1.4 J2.1 R1.2 SWbôtrst1.1 U2.1 U3.2 Ud1.8 Ud1.23 Ud1.35 Ud1.47
boot: R1.1 SWbôt1.2 Ud1.44
C0: NOREF#3.1 SW1.2 SW16.2 SW30.2 SW42.2 SW57.2 SW1000.2 SW1001.1 Ud1.20
C1: NOREF#4.1 SW2.2 SW17.2 SW31.2 SW44.2 SW58.2 Ud1.45
C2: SW3.2 SW18.2 SW32.2 SW45.2 SW59.2 Ud1.43
C3: SW4.2 SW19.2 SW33.2 SW46.2 Ud1.42
C4: SW5.2 SW20.2 SW34.2 SW47.2 Ud1.41
C5: SW6.2 SW21.2 SW35.2 SW48.2 Ud1.40
C6: SW7.2 SW22.2 SW36.2 SW49.2 Ud1.39
C7: SW8.2 SW23.2 SW37.2 SW50.2 SW62.2 Ud1.38
C8: SW9.2 SW24.2 SW38.2 SW51.2 Ud1.31
C9: SW10.2 SW25.2 SW39.2 SW52.2 Ud1.30
C10: SW11.2 SW26.2 SW40.2 SW53.2 Ud1.29
C11: SW12.2 SW27.2 SW41.2 SW54.2 SW68.2 Ud1.28
C12: NOREF#7.1 SW13.2 SW28.2 SW55.2 SW69.2 Ud1.27
C13: NOREF#5.1 SW14.2 SW29.2 SW43.2 SW56.2 SW70.2 SW1002.2 SW1003.2 SW1004.2 Ud1.26
C14: SW15.2 Ud1.25
CLK: J2.5 Ud1.37
D+: U3.4 Ud1.33
D-: U3.6 Ud1.32
DIO: J2.4 Ud1.34
R0: D1.1 D2.1 D3.1 D4.1 D5.1 D6.1 D7.1 D8.1 D9.1 D10.1 D11.1 D12.1 D13.1 D14.1 D15.1 Ud1.46
R1: D16.1 D17.1 D18.1 D19.1 D20.1 D21.1 D22.1 D23.1 D24.1 D25.1 D26.1 D27.1 D28.1 D29.1 Ud1.21
R2: D30.1 D31.1 D32.1 D33.1 D34.1 D35.1 D36.1 D37.1 D38.1 D39.1 D40.1 D41.1 D43.1 Ud1.2
R3: D42.1 D44.1 D45.1 D46.1 D47.1 D48.1 D49.1 D50.1 D51.1 D52.1 D53.1 D54.1 D55.1 D56.1 Ud1.3
R4: D57.1 D58.1 D59.1 D62.1 D68.1 D69.1 D70.1 NOREF.1 NOREF#2.1 NOREF#6. NOREF#8.1 Ud1.4
RGB: R2.1 Ud1.22
RST: C10.1 J2.3 SWbôtrst1.2 Ud1.7
Net-(D1-A): D1.2 SW1.1
Net-(D2-A): D2.2 SW2.1
Net-(D3-A): D3.2 SW3.1
Net-(D4-A): D4.2 SW4.1
Net-(D5-A): D5.2 SW5.1
Net-(D6-A): D6.2 SW6.1
Net-(D7-A): D7.2 SW7.1
Net-(D8-A): D8.2 SW8.1
Net-(D9-A): D9.2 SW9.1
Net-(D10-A): D10.2 SW10.1
Net-(D11-A): D11.2 SW11.1
Net-(D12-A): D12.2 SW12.1
Net-(D13-A): D13.2 SW13.1
Net-(D14-A): D14.2 SW14.1 SW1002.1
Net-(D15-A): D15.2 SW15.1
Net-(D16-A): D16.2 SW16.1
Net-(D17-A): D17.2 SW17.1
Net-(D18-A): D18.2 SW18.1
Net-(D19-A): D19.2 SW19.1
Net-(D20-A): D20.2 SW20.1
Net-(D21-A): D21.2 SW21.1
Net-(D22-A): D22.2 SW22.1
Net-(D23-A): D23.2 SW23.1
Net-(D24-A): D24.2 SW24.1
Net-(D25-A): D25.2 SW25.1
Net-(D26-A): D26.2 SW26.1
Net-(D27-A): D27.2 SW27.1
Net-(D28-A): D28.2 SW28.1
Net-(D29-A): D29.2 SW29.1 SW1004.1
Net-(D30-A): D30.2 SW30.1 SW1001.2
Net-(D31-A): D31.2 SW31.1
Net-(D32-A): D32.2 SW32.1
Net-(D33-A): D33.2 SW33.1
Net-(D34-A): D34.2 SW34.1
Net-(D35-A): D35.2 SW35.1
Net-(D36-A): D36.2 SW36.1
Net-(D37-A): D37.2 SW37.1
Net-(D38-A): D38.2 SW38.1
Net-(D39-A): D39.2 SW39.1
Net-(D40-A): D40.2 SW40.1
Net-(D41-A): D41.2 SW41.1
Net-(D42-A): D42.2 SW42.1 SW1000.1
Net-(D43-A): D43.2 SW43.1 SW1003.1
Net-(D44-A): D44.2 SW44.1
Net-(D45-A): D45.2 SW45.1
Net-(D46-A): D46.2 SW46.1
Net-(D47-A): D47.2 SW47.1
Net-(D48-A): D48.2 SW48.1
Net-(D49-A): D49.2 SW49.1
Net-(D50-A): D50.2 SW50.1
Net-(D51-A): D51.2 SW51.1
Net-(D52-A): D52.2 SW52.1
Net-(D53-A): D53.2 SW53.1
Net-(D54-A): D54.2 SW54.1
Net-(D55-A): D55.2 SW55.1
Net-(D56-A): D56.2 SW56.1
Net-(D57-A): D57.2 SW57.1
Net-(D58-A): D58.2 SW58.1
Net-(D59-A): D59.2 SW59.1
Net-(D62-A): D62.2 SW62.1
Net-(D68-A): D68.2 SW68.1
Net-(D69-A): D69.2 SW69.1
Net-(D70-A): D70.2 SW70.1
Net-(Dled1-A): Dled1.2 Dled2.2 R3.1
Net-(Drgb1-DIN): Drgb1.4 Drgb20.2
Net-(Drgb1-DOUT): Drgb1.2 Drgb2.4
Net-(Drgb2-DOUT): Drgb2.2 Drgb3.4
Net-(Drgb3-DOUT): Drgb3.2 Drgb4.4
Net-(Drgb4-DOUT): Drgb4.2 Drgb5.4
Net-(Drgb5-DOUT): Drgb5.2 Drgb6.4
Net-(Drgb6-DOUT): Drgb6.2 Drgb7.4
Net-(Drgb7-DOUT): Drgb7.2 Drgb8.4
Net-(Drgb8-DOUT): Drgb8.2 Drgb9.4
Net-(Drgb10-DIN): Drgb9.2 Drgb10.4
Net-(Drgb10-DOUT): Drgb10.2 Drgb11.4
Net-(Drgb11-DOUT): Drgb11.2 Drgb12.4
Net-(Drgb12-DOUT): Drgb12.2 Drgb13.4
Net-(Drgb13-DOUT): Drgb13.2 Drgb14.4
Net-(Drgb14-DOUT): Drgb14.2 Drgb15.4
Net-(Drgb15-DOUT): Drgb15.2 Drgb16.4
Net-(Drgb16-DOUT): Drgb16.2 Drgb17.4
Net-(Drgb17-DOUT): Drgb17.2 Drgb18.4
Net-(Drgb18-DOUT): Drgb18.2 Drgb19.4
Net-(Drgb19-DOUT): Drgb19.2 Drgb21.4
Net-(Drgb20-DIN): Drgb20.4 R2.2
Net-(Drgb21-DOUT): Drgb21.2 Drgb22.4
Net-(Drgb22-DOUT): Drgb22.2 Drgb23.4
Net-(Drgb23-DOUT): Drgb23.2 Drgb24.4
Net-(Drgb24-DOUT): Drgb24.2 Drgb25.4
Net-(Drgb25-DOUT): Drgb25.2 Drgb26.4
Net-(Drgb26-DOUT): Drgb26.2 Drgb27.4
Net-(Drgb27-DOUT): Drgb27.2 Drgb28.4